# Altium PCB Spektrop2_PCB_Combined_CMV4000_V2.PcbDoc (part 4 of 6) (continued)
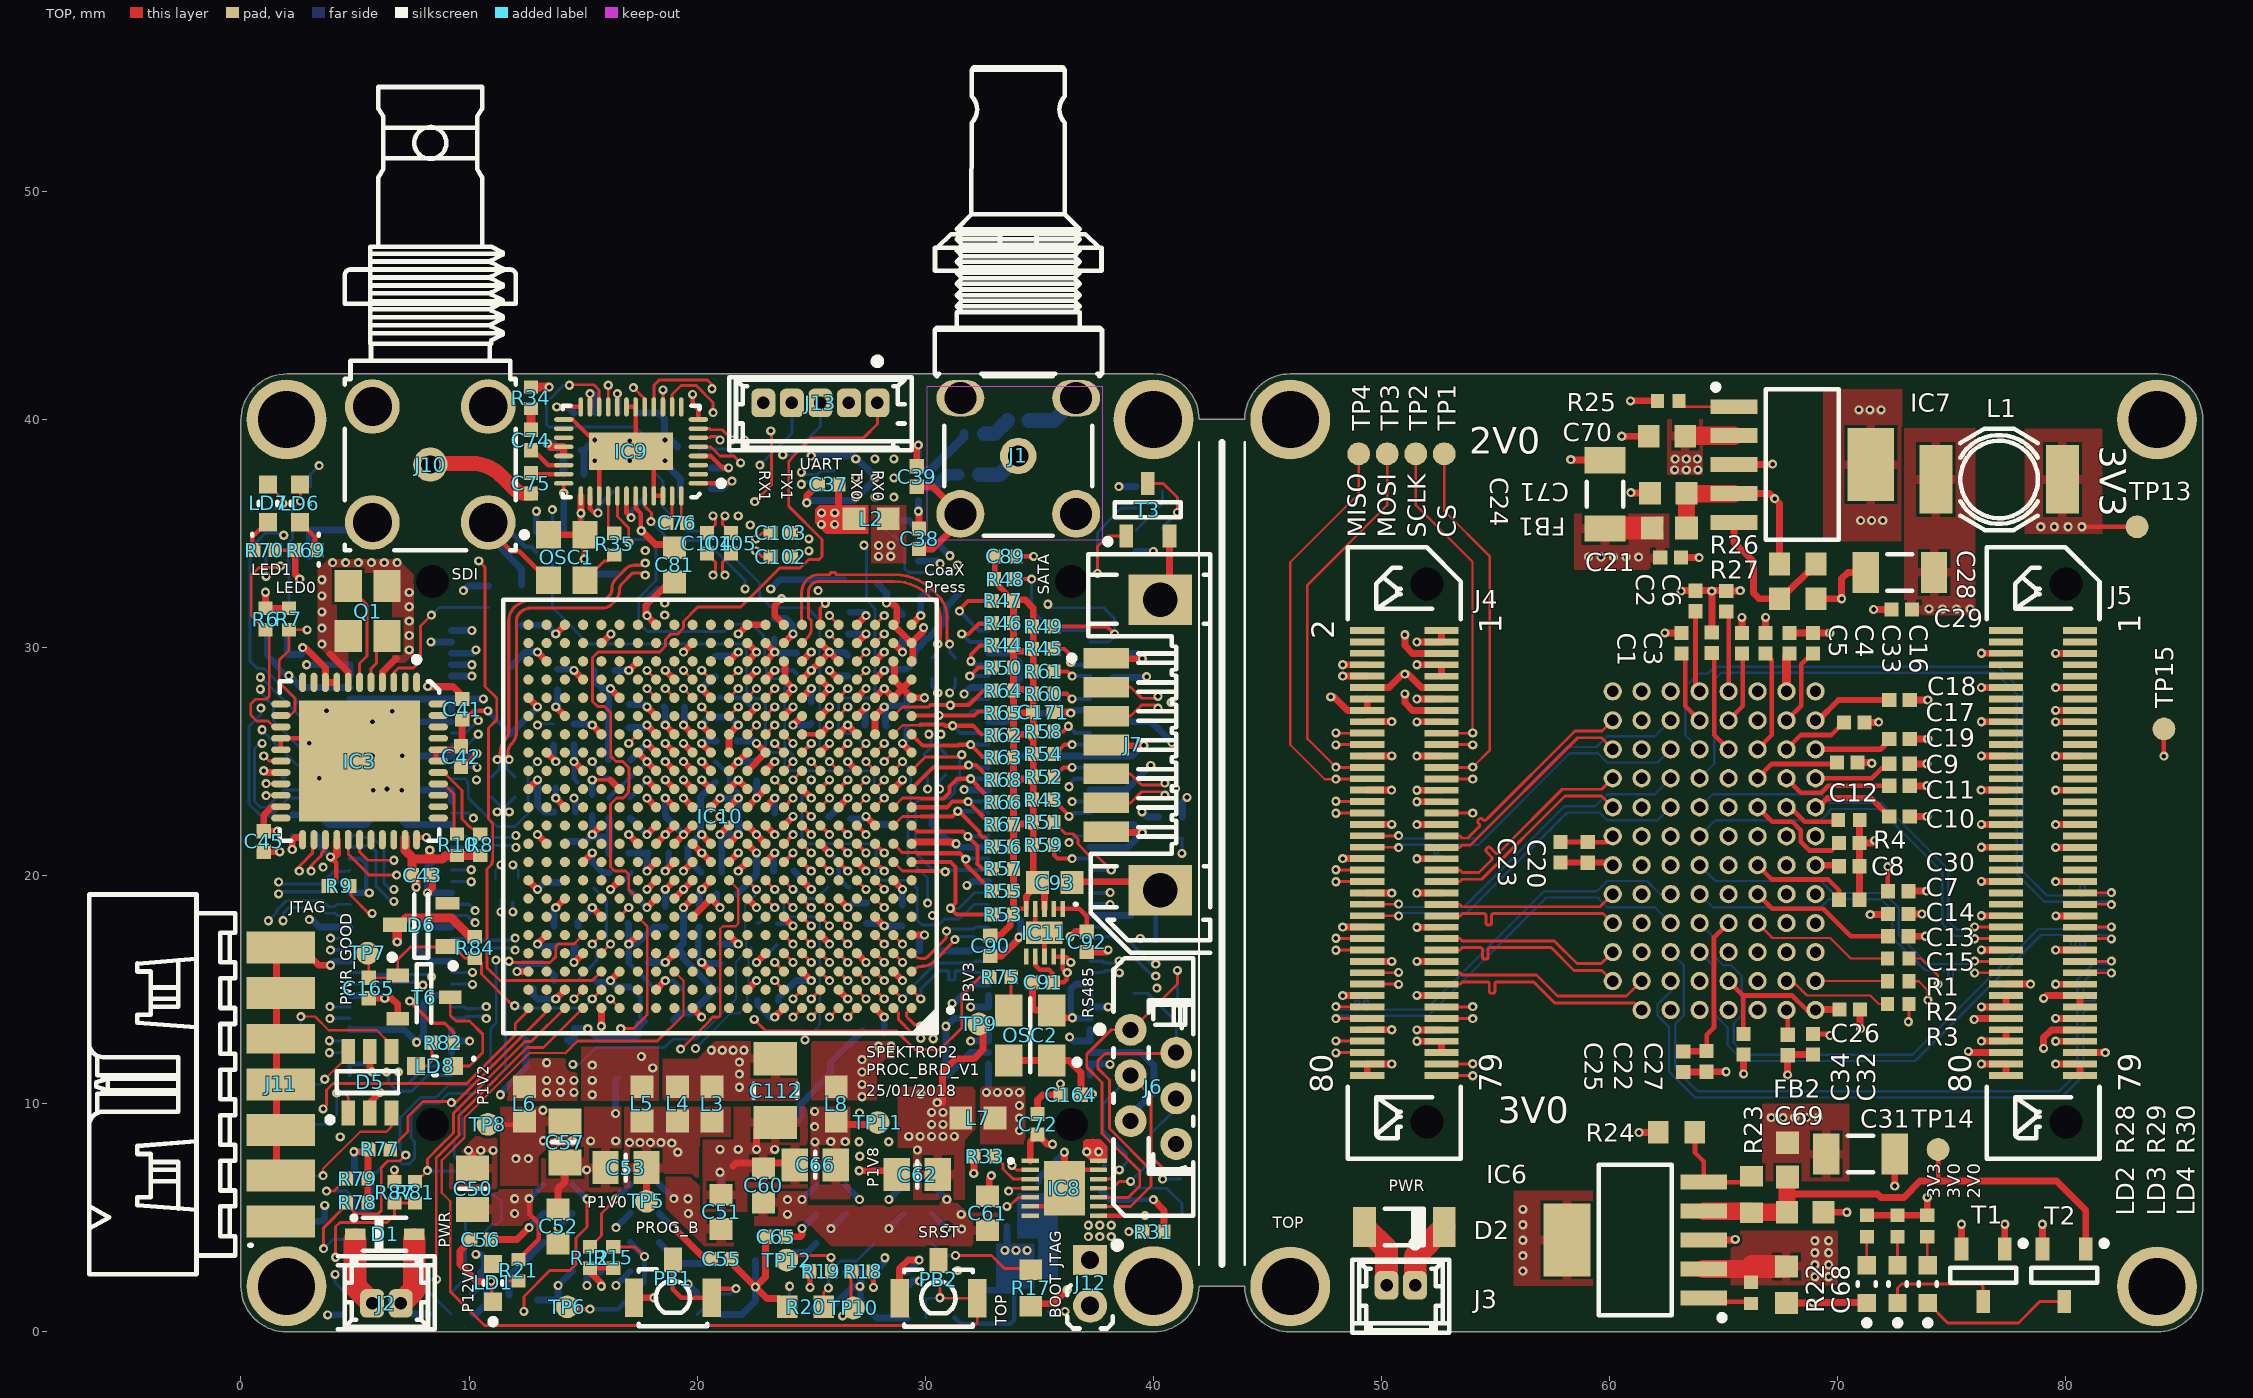
[diagram p0: TOP view]
## Nets (pads, with @x,y where several pads share a name; then routed paths per layer and width w, separated by ;. In a path a pad name is that pad's centre, name@x,y a point inside that pad or via, vN(x,y) a via of type N, cw(c..) or ccw(c..) an arc to the next point about the centre after c; other vN are vias at no path point) (continued)
  BTM w0.65: R5.1@34.545,39.95 35.625,39.95 J1.2@36.615,40.94
  other v1: 56.2,2.671 56.2,3.346 33.487,3.575 33.975,3.575 34.462,3.575 56.2,4.021 56.2,4.696 56.2,5.371 15.15,7.105 27.125,7.7 10.513,7.961 11.05,7.961 21,8 21.8,8 23.4,8 27.1,8.335 28.395,8.335 15.325,8.375 16.43,8.375 27.115,9.605 30.35,12.85 40.15,15.075 3.6,20.375 20.199,21 40.975,23.825 3,25.8 3.75,27.225 40.775,27.6 62.425,30.646 65.8,31.321 25.3,32.5 17.725,34.25 22.325,35.375 71,35.571 71.488,35.571 71.975,35.571 21.8,35.775 26.95,36.6 27.787,36.6 28.625,36.6 26.95,37.437 27.787,37.437 28.625,37.437 15.5,38.2 17.045,38.2 18.589,38.2 26.95,38.275 27.787,38.275 28.625,38.275 17.045,39.071 15.5,39.1 22.075,39.1 70.925,40.421 71.413,40.421 71.9,40.421
GND_ADC: C150.2 C151.2 IC10.K11 IC10.L11 IC10.M11 IC10.M12 L10.1 | length 10
  TOP w0.3: IC10.M12@20.599,23 v1(20.999,23.4) ; v1(20.999,21.8) IC10.L11@21.399,22.2 ; IC10.K11@21.399,21.4 v1(21.799,21.8) ; IC10.M11@21.399,23 v1(21.799,23.4)
  BTM w0.2: C151.2@20.8,25 C151.2@20.825,25 21.215,24.61 21.218,24.61 21.399,24.429 21.399,24.034 21.799,23.634 v1(21.799,23.4)
  BTM w0.3: v1(20.999,23.4) v1(21.799,23.4) L10.1@21.799,22.65 ; C150.2@21.075,20.15 21.075,21.724 v1(20.999,21.8) v1(21.799,21.8) 21.798,22.649 21.801,22.597 21.849,21.803 v1@21.849,21.8
GS12281_GPIO0: IC9.36 IC10.P6 | length 17.1
  TOP w0.125: IC9.36@17.7,36.65 17.7,36.2 18,35.9 18,35.55 v1(17.975,35.525) ; v1(24.999,25) IC10.P6@25.399,24.6
  L2 w0.1: v1(22.1,32.575) 22.425,32.575 23.4,31.6 24.2,31.6 24.625,31.175 24.625,27.925 25.375,27.175 25.375,25.375 v1(24.999,25)
  BTM w0.125: v1(17.975,35.525) 18.8,34.7 20.35,34.7 22.1,32.95 v1(22.1,32.575)
GS12281_GPIO1: IC9.33 IC10.P8 | length 20.2
  TOP w0.125: IC9.33@16.5,36.65 16.5,35.741 17,35.241 v1(17,34.6) ; IC10.P8@23.799,24.6 v1(24.199,25)
  BTM w0.125: v1(17,34.6) 17.137,34.737 17.711,34.737 17.723,34.75 17.9,34.75 18.2,34.45 18.2,32.942 17.437,32.179 17.437,31.088 17.825,30.7 21.2,30.7 21.525,31.025 22.4,31.025 22.9,30.525 22.9,30.011 22.962,29.95 22.962,29.15 23.037,29.075 23.037,28.849 23.249,28.637 23.713,28.637 23.837,28.513 23.837,25.649 24.199,25.287 v1(24.199,25)
GS12281_GPIO2: IC9.18 IC10.P5 | length 28.6
  TOP w0.125: v1(14.4,41.5) 14.422,41.523 15.478,41.523 15.7,41.3 IC9.18@15.7,40.55 ; v1(25.799,25) IC10.P5@26.199,24.6
  BTM w0.125: v1(14.4,41.5) 14.138,41.5 13.388,40.75 13.388,39.787 13.5,39.675 17.3,39.675 17.8,39.175 17.8,38 18.5,37.3 18.5,36.16 19.56,35.1 20.45,35.1 22.725,32.825 22.725,32.275 23.25,31.75 24.825,31.75 25.375,31.2 25.375,25.424 v1(25.799,25)
GS12281_GPIO3: IC9.17 IC10.R4 | length 30.7
  TOP w0.125: IC9.17@16.1,40.55 v1(16.1,41.5) ; IC10.R4@26.999,25.4 v1(27.399,25.8)
  L2 w0.1: v1(16.1,41.5) 16.1,40.9 16.3,40.7 20.3,40.7 ; 20.312,40.712 20.3,40.7 ; v1(27.313,34.488) 27.313,35.337 28.162,36.187 28.162,38.537 27.6,39.1 22.7,39.1 21.1,40.7 20.3,40.7
  BTM w0.125: v1(27.313,34.488) 27.425,34.375 27.425,32.1 ccw(c27.485,32.1) 27.443,32.057 27.8,31.7 27.8,27.9 27.687,27.787 26.387,27.787 26.2,27.6 26.2,26.486 26.449,26.237 26.862,26.237 27.299,25.8 v1(27.399,25.8)
GS12281_nCS: IC9.10 IC10.N4 | length 30.7
  TOP w0.125: IC9.10@18.9,40.55 18.9,41.1 19.288,41.488 19.961,41.488 20.7,40.748 v1(20.7,40.3) ; IC10.N4@26.999,23.8 v1(27.399,24.2)
  L2 w0.1: v1(20.7,40.3) 20,39.6 20,35.825 22.375,33.45 23.5,33.45 24.2,34.15 24.2,35.2 25.375,36.375 26.425,36.375 26.85,35.95 26.85,34.42 27.8,33.47 27.8,24.6 v1(27.399,24.2)
GS12281_SCLK: IC9.13 IC10.M3 | length 33.8
  TOP w0.125: v1(17.2,41.4) v1(17.2,41.4) 17.7,40.902 IC9.13@17.7,40.55 ; IC10.M3@27.799,23 v1(28.199,23.4)
  L5 w0.125: v1(13.65,36.05) 14.225,36.05 16.5,38.325 16.5,40.1 17.2,40.8 v1(17.2,41.4)
  BTM w0.125: v1(13.65,36.05) 13.65,31.75 14,31.4 15.238,30.162 21.949,30.162 22.162,29.95 22.162,28.124 22.524,27.762 22.749,27.762 23,27.511 23,25.6 23.2,25.4 23.573,25.4 23.837,25.136 23.837,24.849 24.086,24.6 27.573,24.6 27.762,24.411 27.762,23.837 v1(28.199,23.4) ; v1@17.2,41.35 v1(17.2,41.4)
GS12281_SDIN: IC9.11 IC10.R2 | length 46.4
  TOP w0.125: IC9.11@18.5,40.55 v1(18.5,41.3) ; v1(22.525,36.4) 23.25,37.125 23.25,39.475 v1(23.225,39.5) ; v1(28.199,25) IC10.R2@28.599,25.4
  L2 w0.1: v1(18.5,41.3) v1@18.6,41.3 ; v1@18.6,41.252 v1@18.6,41.3 ; v1@23.25,39.475 22.7,39.475 21.213,40.962 20.489,40.962 19.952,41.5 18.8,41.5 v1@18.6,41.3
  L5 w0.1: v1(22.525,36.4) 23.913,36.4 26.688,33.625 29.1,33.625 29.975,34.5 37.475,34.5 38.3,33.675 38.3,32.975 36.325,31 30.75,31 30,31.75 29.654,31.75 29.449,31.544 29.449,30.859 29.685,30.623 29.685,28.96 29.349,28.624 29.349,25.655 29.144,25.45 28.9,25.45 28.45,25 v1(28.199,25)
GS12281_SDOUT: IC9.12 IC10.N3 | length 35
  TOP w0.125: IC9.12@18.112,40.562 IC9.12@18.1,40.55 18.1,41.5 18.337,41.737 20.442,41.737 20.65,41.529 v1(20.65,41.35) ; IC10.N3@27.799,23.8 v1(28.199,24.2)
  L2 w0.1: v1(20.65,41.35) 20.9,41.6 28.4,41.6 29,41 29,35.725 29.489,35.236 30.394,35.236 33,32.63 33,27.45 30.15,24.6 28.6,24.6 v1(28.199,24.2)
INIT_B: IC10.T8 R37.2 | length 18.5
  TOP w0.125: IC10.T8@23.799,26.2 v1(24.199,25.8)
  L5 w0.1: 12.36,24.215 13.625,22.95 22.777,22.95 23.005,23.178 23.005,24.355 23.2,24.55 23.554,24.55 23.78,24.775 23.78,25.38 v1(24.199,25.8)
  L5 w0.125: 12.36,24.215 12.36,25.96 v1(12.999,26.6)
  BTM w0.125: v1(12.999,26.6) 13.062,26.663 R37.2@13.7,26.663
LED0: IC10.E3 T4.1 | length 83.1
  TOP w0.125: IC10.E3@27.799,17.4 v1(28.199,17)
  L2 w0.1: v1(1.1,33.125) 1.325,33.125 1.775,32.675 1.775,30.646 0.475,29.346 0.475,27.53 0.5,27.505 0.5,22.343 1.1,21.743 1.1,20.257 0.65,19.807 0.65,4.75 1.125,4.275 4.175,4.275 6.125,2.325 7.5,2.325 8.2,1.625 15.7,1.625 16.025,1.3 17.25,1.3 17.875,1.925 18.325,1.925 18.95,1.3 27.25,1.3 27.525,1.025 27.7,0.85 31.375,0.85 32.1,1.575 32.1,5.159 31.732,5.527 31.723,5.527 31.65,5.6 31.65,12.12 29.995,13.775 29.2,13.775 28.574,14.401 28.574,15.555 28.354,15.775 28.094,15.775 27.824,16.044 27.824,16.355 28.199,16.73 v1(28.199,17)
  BTM w0.125: v1(1.1,33.125) T4.1@1.1,34
LED1: IC10.G3 T5.1 | length 91.3
  TOP w0.125: IC10.G3@27.799,19 v1(28.199,18.6)
  L2 w0.1: v1(3.425,37.975) 2.596,37.146 1.186,37.146 0.55,36.511 0.55,29.74 0.25,29.44 0.25,27.437 0.275,27.412 0.275,22.25 0.875,21.65 0.875,20.35 0.425,19.9 0.425,4.625 1,4.05 4.05,4.05 6,2.1 7.394,2.1 8.119,1.375 15.632,1.375 15.932,1.075 26.53,1.075 26.555,1.05 27.182,1.05 27.607,0.625 31.725,0.625 32.5,1.4 32.5,9.97 32.275,10.195 32.275,11.1 32.475,11.3 32.475,12.79 31.315,13.95 30.825,13.95 30.525,14.25 30.525,14.525 29.3,15.75 28.825,15.75 28.6,15.975 28.6,18.199 v1(28.199,18.6)
  BTM w0.125: T5.1@3.05,37.05 3.05,37.6 v1(3.425,37.975)
LVDS_CLK_N: IC1.D2 J4.76 | length 22.9
  TOP w0.125: v1(48,12.233) 48.012,12.246 J4.76@49.374,12.246
  L5 w0.1: v1(48,12.233) 48.103,12.336 50.635,12.336 53.22,9.751 61.183,9.751 64.52,13.088 64.52,14.349 63.945,14.924 IC1.D2@63.945,15.381
LVDS_CLK_P: IC1.D1 J4.74 | length 22.8
  TOP w0.125: v1(48,12.758) 48.012,12.746 J4.74@49.374,12.746
  L5 w0.1: v1(48,12.758) 48.102,12.656 48.55,12.656 48.58,12.656 ccw(c48.58,12.726) 48.65,12.726 48.65,13.086 cw(c48.72,13.086) 48.72,13.156 48.78,13.156 cw(c48.78,13.086) 48.85,13.086 48.85,12.656 ccw(c48.92,12.656) 48.92,12.586 48.98,12.586 ccw(c48.98,12.656) 49.05,12.656 49.05,13.086 cw(c49.12,13.086) 49.12,13.156 49.18,13.156 cw(c49.18,13.086) 49.25,13.086 49.25,12.656 ccw(c49.32,12.656) 49.32,12.586 49.38,12.586 ccw(c49.38,12.656) 49.45,12.656 49.65,12.656 49.75,12.656 50.768,12.656 53.353,10.071 61.05,10.071 63.945,12.966 IC1.D1@63.945,14.111
MGT_RX0_C_N: C100.2 IC10.AB7 | length 11.2
  TOP w0.125: IC10.AB7@24.599,31 24.599,31.166 24.58,31.185 24.58,32.413 cw(c25.387,32.413) 24.816,32.984 cw(c25.327,32.473) 25.327,33.195 25.775,33.195 ccw(c25.775,33.245) 25.825,33.245 cw(c25.875,33.245) 25.875,33.295 26.025,33.295 cw(c26.025,33.245) 26.075,33.245 ccw(c26.125,33.245) 26.125,33.195 28.65,33.195 cw(c28.65,30.788) 30.352,32.49 30.559,32.284 cw(c29.605,31.33) 30.954,31.33 30.954,30.428 ccw(c31.346,30.428) v1(31.069,30.15)
  BTM w0.14: v1(31.069,30.15) 31.069,29.801 C100.2@31.314,29.556
MGT_RX0_C_P: C98.2 IC10.AA7 | length 11.2
  TOP w0.125: IC10.AA7@24.599,30.2 24.846,30.446 ccw(c24.476,30.816) 24.999,30.816 24.999,31.183 24.875,31.307 24.875,32.413 cw(c25.387,32.413) 25.025,32.775 cw(c25.327,32.473) 25.327,32.9 28.65,32.9 cw(c28.65,30.788) 30.144,32.281 30.35,32.075 cw(c29.605,31.33) 30.659,31.33 30.659,30.428 cw(c30.266,30.428) v1(30.544,30.15)
  BTM w0.14: C98.2@30.298,29.556 30.544,29.801 v1(30.544,30.15)
MGT_RX0_N: C100.1 J7.3 | length 15.6
  TOP w0.125: J7.3@37.94,27 39.003,27 39.49,27.487 40.032,27.487 40.039,27.48 40.063,27.48 v1(40.2,27.343)
  L5 w0.1: v1(31.069,28.011) 31.025,28.055 31.025,28.6 cw(c31.93,28.6) 31.29,29.24 31.825,29.775 cw(c32.972,28.628) 32.972,30.25 33.232,30.25 cw(c33.232,30.21) 33.272,30.21 33.272,30.112 ccw(c33.312,30.112) 33.312,30.072 33.432,30.072 ccw(c33.432,30.112) 33.472,30.112 33.472,30.21 cw(c33.512,30.21) 33.512,30.25 33.632,30.25 cw(c33.632,30.21) 33.672,30.21 33.672,30.112 ccw(c33.712,30.112) 33.712,30.072 33.832,30.072 ccw(c33.832,30.112) 33.872,30.112 33.872,30.222 cw(c33.9,30.222) 33.9,30.25 36.1,30.25 cw(c36.1,29.351) 36.736,29.987 39.049,27.673 ccw(c39.6,28.224) 39.6,27.445 40.097,27.445 v1(40.2,27.343)
  BTM w0.14: v1(31.069,28.011) 31.069,28.031 31.314,28.276 C100.1@31.314,28.656
MGT_RX0_P: C98.1 J7.2 | length 15.5
  TOP w0.125: J7.2@37.94,28.27 39.003,28.27 39.49,27.782 40.115,27.782 v1(40.2,27.868)
  L5 w0.1: v1(30.544,28.011) 30.544,28.017 30.705,28.178 30.705,28.6 cw(c31.93,28.6) 31.064,29.466 31.599,30.001 cw(c32.972,28.628) 32.972,30.57 36.1,30.57 cw(c36.1,29.351) 36.962,30.213 39.276,27.899 ccw(c39.6,28.224) 39.6,27.765 40.098,27.765 v1(40.2,27.868)
  BTM w0.14: C98.1@30.298,28.656 30.298,28.276 30.544,28.031 v1(30.544,28.011)
MGT_TX0_C_N: C101.1 IC10.AB3 | length 8.3
  TOP w0.125: IC10.AB3@27.799,31 v1(28.199,31.4)
  L2 w0.1: v1(28.199,31.4) 28.308,31.291 ccw(c28.625,31.608) 28.625,31.16 cw(c28.625,30.271) 29.253,30.899 29.773,30.379 cw(c29.419,30.025) 29.92,30.025 29.92,28.827 cw(c29.173,28.827) 29.701,28.299 ccw(c30.187,27.813) 29.5,27.813 29.5,27.687 ccw(c30.012,27.687) 29.65,27.325 30.685,26.29 v1(30.685,26.2)
  BTM w0.14: v1(30.685,26.2) 30.592,26.108 30.592,25.633 C101.1@30.9,25.325
MGT_TX0_C_P: C99.1 IC10.AA3 | length 9.4
  TOP w0.125: IC10.AA3@27.799,30.2 v1(28.199,30.6)
  L2 w0.1: v1(28.199,30.6) 28.308,30.708 cw(c28.625,30.391) 28.625,30.84 cw(c28.625,30.271) 29.027,30.673 29.547,30.153 ; 29.547,30.153 cw(c29.419,30.025) 29.6,30.025 29.6,29.665 29.56,29.625 29.388,29.625 29.348,29.585 29.348,29.465 29.388,29.425 29.56,29.425 29.6,29.385 29.6,29.265 29.56,29.225 28.982,29.225 28.942,29.185 28.942,29.065 28.982,29.025 29.56,29.025 29.6,28.985 29.6,28.827 cw(c29.173,28.827) 29.475,28.525 ccw(c30.187,27.813) 29.18,27.813 29.18,27.687 ccw(c30.012,27.687) 29.424,27.099 30.16,26.363 v1(30.16,26.2)
  BTM w0.14: C99.1@29.945,25.324 30.252,25.632 30.252,26.108 v1(30.16,26.2)
MGT_TX0_N: C101.2 J7.5 | length 15.2
  TOP w0.125: J7.5@37.94,24.46 39.003,24.46 39.49,23.972 40.415,23.972 v1(40.5,24.057)
  L2 w0.1: v1(30.623,23.8) ccw(c30.871,23.553) 30.521,23.553 30.521,23.325 ccw(c31.174,23.325) 30.712,22.863 31.05,22.525 ccw(c31.231,22.706) 31.231,22.45 35.417,22.45 cw(c35.417,21.942) 35.776,22.301 ccw(c36.021,22.546) 36.021,22.2 36.871,22.2 ccw(c36.871,23.054) 37.475,22.45 38.264,23.239 cw(c40.029,21.473) 40.029,23.97 40.289,23.97 ccw(c40.289,24.269) v1(40.5,24.057)
  BTM w0.14: v1(30.623,23.8) 30.592,23.831 30.592,24.117 C101.2@30.9,24.425
MGT_TX0_P: C99.2 J7.6 | length 15.7
  TOP w0.125: J7.6@37.94,23.19 39.003,23.19 39.49,23.677 40.355,23.677 v1(40.5,23.532)
  L2 w0.1: v1(30.098,23.8) cw(c29.851,23.553) 30.201,23.553 30.201,23.325 ccw(c31.174,23.325) 30.486,22.637 30.824,22.299 ccw(c31.231,22.706) 31.231,22.13 35.417,22.13 cw(c35.417,21.942) 35.55,22.075 ccw(c36.021,22.546) 36.021,21.88 36.871,21.88 ccw(c36.871,23.054) 37.701,22.224 38.49,23.012 cw(c40.029,21.473) 40.029,23.65 40.216,23.65 cw(c40.216,23.249) v1(40.5,23.532)
  BTM w0.14: C99.2@29.945,24.424 30.109,24.259 30.098,24.248 v1(30.098,23.8)
MGT_TX1_C_N: C103.1 IC10.Y4 | length 8.4
  TOP w0.125: C103.1@24.117,35.029 24.489,35.029 24.752,34.767 v1(24.893,34.767) ; IC10.Y4@26.999,29.4 v1(27.399,29.8)
  L2 w0.1: v1(24.893,34.767) 24.996,34.664 25.425,34.664 cw(c25.425,33.546) 26.216,34.337 26.426,34.126 cw(c25.234,32.934) 26.92,32.934 26.92,30.74 ccw(c26.96,30.74) 26.96,30.7 26.976,30.7 cw(c26.976,30.66) 27.016,30.66 27.016,30.54 cw(c26.976,30.54) 26.976,30.5 26.96,30.5 ccw(c26.96,30.46) 26.92,30.46 26.92,29.903 ccw(c27.278,29.903) 27.025,29.65 27.038,29.65 ccw(c27.038,30.161) v1(27.399,29.8)
MGT_TX1_C_P: C102.1 IC10.W4 | length 8.3
  TOP w0.125: C102.1@24.117,33.98 24.489,33.98 24.752,34.242 v1(24.893,34.242) ; IC10.W4@26.999,28.6 v1(27.399,29)
  L2 w0.1: v1(24.893,34.242) 24.996,34.344 25.425,34.344 cw(c25.425,33.546) 25.989,34.111 26.2,33.9 cw(c25.234,32.934) 26.6,32.934 26.6,29.903 ccw(c27.278,29.903) 26.799,29.424 ccw(c27.025,29.65) 27.025,29.33 cw(c27.025,29.225) 27.1,29.299 v1(27.399,29)
MGT_TX1_N: C103.2 IC2.3 | length 7
  TOP w0.125: v1(22.568,34.767) 22.582,34.767 22.844,35.029 C103.2@23.217,35.029
  L2 w0.1: v1(22.568,34.767) 22.66,34.675 23.325,34.675 ccw(c23.325,34.755) 23.405,34.755 23.405,36.977 cw(c24.013,36.977) 24.013,37.585 24.469,37.585 ccw(c24.469,37.688) v1(24.571,37.688)
  BTM w0.14: v1(24.571,37.688) 24.664,37.595 25.275,37.595 25.43,37.75 IC2.3@26,37.75
MGT_TX1_P: C102.2 IC2.2 | length 7
  TOP w0.125: v1(22.568,34.242) 22.582,34.242 22.844,33.98 C102.2@23.217,33.98
  L2 w0.1: v1(22.568,34.242) 22.681,34.355 23.325,34.355 ccw(c23.325,34.755) 23.725,34.755 23.725,36.977 cw(c24.013,36.977) 24.013,37.265 24.469,37.265 cw(c24.469,37.163) v1(24.571,37.163)
  BTM w0.14: v1(24.571,37.163) 24.664,37.255 25.275,37.255 25.43,37.1 IC2.2@26,37.1
MGT_TX2_C_N: C105.1 IC10.AB5 | length 8.9
  TOP w0.125: v1(21.218,33.175) 21.103,33.29 21.103,33.745 C105.1@21.48,34.121 ; v1(25.799,31.4) IC10.AB5@26.199,31
  L5 w0.1: v1(21.218,33.175) ccw(c21.218,33.073) 21.116,33.073 21.116,32.009 ccw(c21.225,32.009) 21.225,31.9 22.415,31.9 cw(c22.415,30.965) 23.076,31.626 ccw(c23.864,32.414) 23.864,31.3 23.924,31.3 ccw(c23.924,31.34) 23.964,31.34 23.964,31.55 cw(c24.004,31.55) 24.004,31.59 24.124,31.59 cw(c24.124,31.55) 24.164,31.55 24.164,31.34 ccw(c24.204,31.34) 24.204,31.3 24.324,31.3 ccw(c24.324,31.34) 24.364,31.34 24.364,31.55 cw(c24.404,31.55) 24.404,31.59 24.524,31.59 cw(c24.524,31.55) 24.564,31.55 24.564,31.34 ccw(c24.604,31.34) 24.604,31.3 25.559,31.3 ccw(c25.559,31.64) v1(25.799,31.4)
MGT_TX2_C_P: C104.1 IC10.AA5 | length 8.4
  TOP w0.125: C104.1@20.432,34.121 20.808,33.745 20.808,33.29 v1(20.693,33.175) ; v1(25.799,30.6) IC10.AA5@26.199,30.2
  L5 w0.1: v1(20.693,33.175) cw(c20.693,33.072) 20.796,33.072 20.796,32.009 ccw(c21.225,32.009) 21.225,31.58 22.415,31.58 cw(c22.415,30.965) 22.85,31.4 ccw(c23.864,32.414) 23.864,30.98 24.881,30.98 cw(c24.881,29.681) v1(25.799,30.6)
MGT_TX2_N: C105.2 IC9.7 | length 6.3
  TOP w0.125: IC9.7@20.05,39.6 20.537,39.6 20.59,39.548 21.101,39.548 21.525,39.123 v1(21.525,39.1) ; v1(21.218,35.77) 21.103,35.655 21.103,35.397 C105.2@21.48,35.021
  L2 w0.1: v1(21.218,35.77) 21.207,35.782 cw(c21.524,36.1) 21.075,36.1 21.075,36.605 ccw(c20.375,36.605) 20.87,37.1 20.87,37.95 cw(c21.268,37.95) 20.987,38.232 21.329,38.574 ccw(c21.103,38.8) 21.423,38.8 21.423,38.998 v1(21.525,39.1)
MGT_TX2_P: C104.2 IC9.6 | length 5.6
  TOP w0.125: IC9.6@20.05,39.2 20.537,39.2 20.59,39.252 20.848,39.252 v1(21,39.1) ; C104.2@20.432,35.021 20.808,35.397 20.808,35.655 v1(20.693,35.77)
  L2 w0.1: v1(20.693,35.77) ccw(c20.545,35.919) 20.755,35.919 20.755,36.605 ccw(c20.375,36.605) 20.644,36.874 cw(c20.87,37.1) 20.55,37.1 20.55,37.95 cw(c21.268,37.95) 20.76,38.458 21.103,38.8 21.103,38.998 v1(21,39.1)
MGTAVCC: C134.1 C135.1 C136.1 IC10.U4 IC10.U6 IC10.U8 IC10.W5 IC10.W9 L5.2 | length 5.6
  TOP w0.3: IC10.W9@22.999,28.6 v1(23.399,29) ; IC10.U8@23.799,27 v1(24.199,27.4) ; IC10.U6@25.399,27 v1(25.799,27.4) ; v1(25.8,28.999) IC10.W5@26.199,28.6 ; IC10.U4@26.999,27 v1(27.399,27.4)
  BTM w0.2: v1(23.399,29) 24.217,29 C135.1@24.349,28.868 ; v1@27.349,27.35 v1(27.399,27.4)
  BTM w0.3: v1(25.8,28.999) 26.05,28.75 C134.1@26.6,28.75 ; C136.1@27.349,26.6 v1@27.349,27.35
  other v1: 15.4,10.4 15.4,11.025 18.05,11.575 15.4,11.7 17.551,12.074
MGTAVTT: C106.1 C107.1 C108.1 IC10.AA2 IC10.AA4 IC10.AA8 IC10.AB1 IC10.AB6 IC10.Y7 L6.2 L11.1 | length 8.1
  TOP w0.15: IC10.AB6@25.399,31 25.399,31.724 v1(25.618,31.943)
  TOP w0.3: IC10.AA8@23.799,30.2 v1(24.199,30.6) ; IC10.Y7@24.599,29.4 v1(24.999,29.8) ; IC10.AA4@26.999,30.2 v1(27.399,30.6) ; IC10.AA2@28.599,30.2 v1(29,29.801) ; IC10.AB1@29.399,31 v1(29.799,31.4)
  BTM w0.3: C106.1@23.375,31.275 C106.1@23.4,31.275 23.9,31.275 24.199,30.976 v1(24.199,30.6) ; C107.1@26.634,30.6 26.7,30.6 v1(27.399,30.6) ; v1(29,29.801) C108.1@29,30.55 ; v1(29.799,31.4) 29.799,32.174 L11.1@30.275,32.65
  other v1: 13.4,10.5 14,10.5 14.6,10.5 13.4,11.025 14,11.025 14.6,11.025 13.4,11.8
MGTAVTTRCAL: IC10.V7 R74.1 | length 1.2
  TOP w0.3: IC10.V7@24.599,27.8 v1(24.999,28.2)
  BTM w0.3: R74.1@24.999,27.616 v1(24.999,28.2) v1@25.036,28.163
MGTRREF: IC10.U7 R74.2 | length 1.5
  TOP w0.3: v1(24.199,26.6) IC10.U7@24.599,27
  BTM w0.3: v1@24.239,26.64 v1(24.199,26.6) 24.922,26.6 R74.2@24.999,26.676
MGTVCCAUX: C146.1 IC10.W3 L11.2 | length 5.9
  TOP w0.3: IC10.W3@27.799,28.6 v1(28.199,29)
  BTM w0.3: v1@28.249,28.95 v1(28.199,29) 28.25,29.05 C146.1@29.175,29.05 29.518,29.393 29.518,29.818 29.928,30.228 29.928,30.303 30.027,30.402 30.123,30.402 30.401,30.68 30.401,30.701 30.9,31.2 30.9,31.775 L11.2@31.45,32.325
NC: J11.1
NetC1_2: C1.2 IC1.D11 | length 3.3
  TOP w0.203: C1.2@63.158,29.746 63.316,29.588 63.316,27.44 IC1.D11@63.945,26.811
NetC2_2: C2.2 IC1.D12 | length 3.6
  TOP w0.203: C2.2@63.767,31.593 63.767,28.259 IC1.D12@63.945,28.081
NetC3_2: C3.2 IC1.E10 | length 4.5
  TOP w0.203: C3.2@64.478,29.765 64.586,29.657 64.586,26.17 IC1.E10@65.215,25.541
NetC4_2: C4.2 IC1.F10 | length 4.7
  TOP w0.203: IC1.F10@66.485,25.541 67.114,26.17 67.114,29.441 C4.2@66.764,29.79
NetC5_2: C5.2 IC1.E11 | length 3.3
  TOP w0.203: IC1.E11@65.215,26.811 65.844,27.44 65.844,29.764 C5.2@65.799,29.808
NetC6_2: C6.2 IC1.E12 | length 3.5
  TOP w0.203: C6.2@65.113,31.586 65.215,31.485 IC1.E12@65.215,28.081
NetC7_2: C7.2 IC1.F6 | length 4.4
  TOP w0.203: IC1.F6@66.485,20.461 67.114,19.832 69.588,19.832 70.056,19.365 C7.2@70.056,18.946
NetC8_2: C8.2 IC1.F8 | length 4.8
  TOP w0.203: IC1.F8@66.485,23.001 67.126,22.36 68.015,22.36 68.384,21.991 68.384,21.484 68.765,21.102 69.726,21.102 C8.2@70.056,21.433
NetC9_2: C9.2 IC1.H9 | length 3.6
  TOP w0.203: IC1.H9@69.025,24.271 71.5,24.271 71.975,24.746 72.167,24.746 C9.2@72.327,24.906
NetC10_2: C10.2 IC1.H8 | length 3.7
  TOP w0.254: IC1.H8@69.025,23.001 69.147,23.001 69.548,23.403 71.45,23.403 C10.2@72.258,22.595
NetC11_2: C11.2 IC1.G9 | length 5
  TOP w0.203: IC1.G9@67.755,24.271 68.384,23.643 69.285,23.643 69.584,23.941 C11.2@72.258,23.941 C11.2@72.327,23.941
NetC12_2: C12.2 IC1.F9 | length 3.8
  TOP w0.203: IC1.F9@66.485,24.271 67.114,24.9 69.908,24.9 C12.2@69.965,24.957
NetC13_2: C13.2 IC1.G5 | length 5.7
  TOP w0.3: v1(71.425,18.296) 72.039,18.296 C13.2@72.2,18.457
  L5 w0.203: IC1.G5@67.755,19.191 68.384,19.82 70.301,19.82 71.45,18.671 71.425,18.646 v1(71.425,18.296)
NetC14_2: C14.2 IC1.G6 | length 6.3
  TOP w0.203: C14.2@72.2,19.321 v1(72.2,20.396)
  L5 w0.203: IC1.G6@67.755,20.461 68.384,21.09 71.906,21.09 72.2,20.796 v1(72.2,20.396)
NetC15_2: C15.2 IC1.F5 | length 6.5
  TOP w0.203: IC1.F5@66.485,19.191 67.126,18.55 69.362,18.55 70.565,17.346 72,17.346 C15.2@72.15,17.496
NetC16_2: C16.2 IC1.G11 | length 3.5
  TOP w0.203: IC1.G11@67.755,26.811 68.396,27.453 68.396,29.27 C16.2@68.923,29.797
NetC17_2: C17.2 IC1.G10 | length 3
  TOP w0.203: IC1.G10@67.755,25.541 68.384,26.17 69.724,26.17 C17.2@70.275,26.721
NetC18_2: C18.2 IC1.H11 | length 3.6
  TOP w0.254: IC1.H11@69.025,26.811 69.147,26.811 70.036,27.7 C18.2@72.258,27.7 C18.2@72.302,27.7
NetC19_2: C19.2 IC1.H10 | length 3.5
  TOP w0.254: IC1.H10@69.025,25.541 71.877,25.541 C19.2@72.334,25.998
NetC35_2: C35.2 IC2.11 | length 2
  BTM w0.5: IC2.11@29.7,37.1 30.475,37.1 30.95,37.575 C35.2@31.475,37.575
NetC36_1: C36.1 R5.2 | length 1.2
  BTM w0.65: C36.1@32.6,39.375 33.03,39.375 R5.2@33.605,39.95
NetC36_2: C36.2 IC2.10 | length 2.7
  BTM w0.4: IC2.10@29.7,37.75 30.2,37.75 31.7,39.25 C36.2@31.7,39.375
NetC55_2: C55.2 IC4.E3 | length 3.1
  TOP w0.3: v1(18.96,4.575) 20.185,3.35 20.45,3.35 C55.2@20.6,3.2
  BTM w0.3: IC4.E3@18.335,5.2 v1(18.96,4.575)
NetC56_2: C56.2 IC4.A3 | length 2.8
  TOP w0.3: C56.2@10.95,4.05 12.105,4.05 v1(12.63,4.575)
  BTM w0.3: v1(12.63,4.575) IC4.A3@13.255,5.2
NetC64_2: C64.2 IC5.E3 | length 11.3
  L2 w0.1: v1(24.05,2) 24.525,1.525 29.825,1.525 30.925,2.625 v1(30.925,4.535)
  BTM w0.125: C64.2@24.05,1.025 v1(24.05,2)
  BTM w0.3: IC5.E3@30.3,5.16 v1(30.925,4.535)
NetC65_2: C65.2 IC5.A3 | length 1.9
  TOP w0.3: C65.2@23.89,4.173 24.523,4.173 24.595,4.245 v1(24.595,4.535)
  BTM w0.3: v1(24.595,4.535) IC5.A3@25.22,5.16
NetC76_1: C76.1 IC9.40 | length 1.5
  TOP w0.125: IC9.40@19.3,36.65 19.3,35.477 C76.1@19.633,35.477
NetC76_2: C76.2 IC9.39 | length 1.2
  TOP w0.125: C76.2@18.733,35.477 18.9,35.644 IC9.39@18.9,36.65
NetC78_2: C78.2 IC9.5 | length 4.5
  TOP w0.125: IC9.5@20.1,38.75 IC9.5@20.05,38.8 20.6,38.8 21,38.4 21.6,38.4 v1(21.9,38.1)
  BTM w0.125: C78.2@20.1,38.75 C78.2@20.05,38.8 20.05,38.713 21.287,38.713 v1(21.9,38.1)
NetC84_2: C84.2 IC9.30 | length 2.2
  TOP w0.2: IC9.30@15.3,36.65 15.3,36.089 15.489,35.9 v1(15.65,35.9)
  BTM w0.2: v1(15.65,35.9) 15.65,36.175 C84.2@16.3,36.825
NetC85_2: C85.2 IC9.34 | length 2.3
  TOP w0.2: IC9.34@16.9,36.65 16.9,35.9 v1(17.1,35.7)
  L2 w0.1: v1@17.075,35.7 v1(17.1,35.7)
  BTM w0.2: v1(17.1,35.7) 17.1,35.975 C85.2@17.775,36.65
NetIC1_G8: IC1.G8 R4.2 | length 2.6
  TOP w0.203: IC1.G8@67.755,23.001 67.923,23.001 68.552,22.373 69.945,22.373 R4.2@70.021,22.449
NetIC3_5: IC3.5 Q1.3 | length 2.3
  TOP w0.125: IC3.5@5.7,28.475 5.7,29.075 5.937,29.312 5.937,30.038 Q1.3@6.4,30.5
NetIC3_6: IC3.6 Q1.1 | length 4.7
  TOP w0.125: Q1.1@4.7,32.7 5.525,31.875 5.525,29.625 5.2,29.3 IC3.6@5.2,28.475
NetIC4_A4: IC4.A4 R13.2 | length 2.9
  BTM w0.3: R13.2@11.75,1.625 11.75,2.425 IC4.A4@13.255,3.93
NetIC4_E4: IC4.E4 R14.2 | length 3.1
  BTM w0.3: IC4.E4@18.335,3.93 19.265,3 R14.2@21.09,3
NetIC5_A4: IC5.A4 R16.2 | length 1.2
  BTM w0.3: R16.2@24.225,3.475 24.805,3.475 IC5.A4@25.22,3.89